# KiCad board sizif128.kicad_pcb (continued)
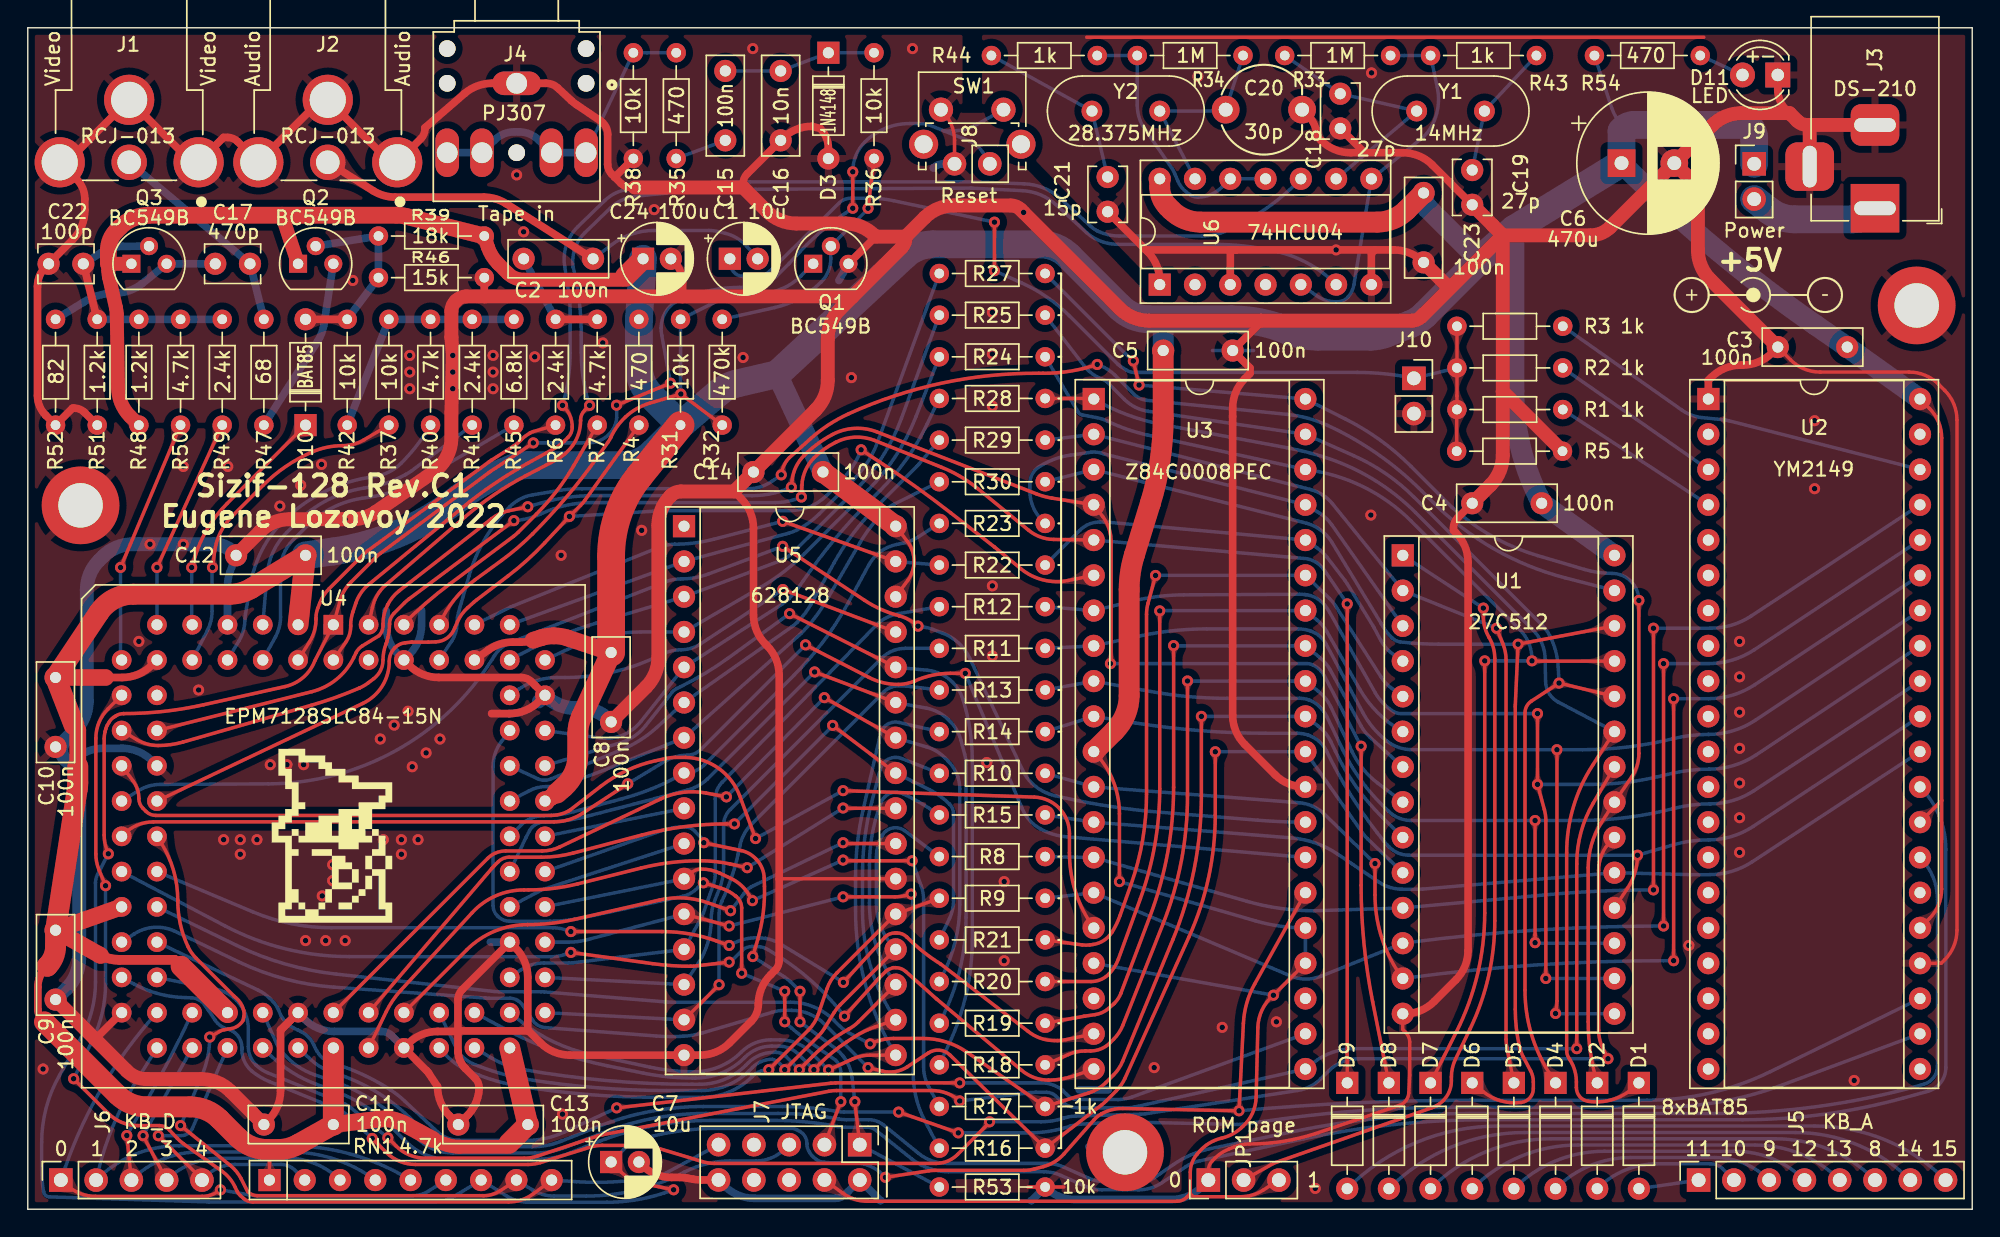
[diagram p0: board, top side]
## Routing (per net, layer and track width the routed paths; a pad name or vN(x,y) marks a point on that pad's centre or on a via; arc(x,y) is an arc through that point)
+5V: length 643.6
  Top w0.25: 137.8,29.44 137.8,23.06 arc(137.57,21.91) 136.92,20.94 U2.25 ; 137.8,29.44 U2.28 ; 137.8,29.44 137.8,55.56 arc(137.57,56.71) 136.92,57.68 U2.40 ; U5.30 63.35,45.29 arc(63.81,46.7) 63.33,48.1 U5.32 ; JP1.3 88.94,1.37 arc(88.16,1.02) 87.32,0.9 83.91,0.9 83.7,1.11 ; 83.7,1.11 83.7,2.65 arc(83.83,3.35) 84.19,3.96 84.36,4.16 arc(85.08,4.77) 85.95,5.12 arc(86.71,5.4) 87.38,5.87 87.49,5.97 arc(88.18,6.92) 88.44,8.07 88.57,13.08 arc(88.87,14.37) v1(89.69,15.41) U3.24 ; 83.7,1.11 83.45,0.87 arc(83.13,0.65) 82.75,0.57 60.45,0.57 arc(59.52,0.72) 58.69,1.15 J7.4 ; v1(78.6,23.6) 78.6,28.49 arc(78.12,30.91) U3.11 ; RN1.1 17.4,4.1
  Top w0.55: U4.13 8.92,39.18 arc(7.95,38.53) 6.8,38.3 5.6,38.3 ; 11.04,17.5 10.65,17.89 ; 1.4,17.5 1.31,17.41 arc(0.88,16.76) 0.72,16 0.72,14.39 arc(0.8,14.01) 1.02,13.68 1.2,13.5 ; U4.78 33.16,40.28 arc(34,40.7) 34.92,40.85 35.5,40.85 arc(35.94,40.88) 36.38,40.98
  Top w0.7: 10.65,17.89 10.58,17.96 6.59,17.96 arc(5.91,18.04) 5.26,18.27
  Top w1: R48.1 7.38,57.1 arc(6.73,58.07) 6.5,59.22 6.4,64.5 arc(6.39,64.7) 6.36,64.9 5.85,67.15 arc(5.81,67.37) 5.8,67.59 5.8,68.1 Q3.1 ; 42.79,66.95 35.7,66.95 arc(35.08,67.07) 34.55,67.43 33.85,68.13 arc(33.41,68.68) 33.12,69.33 R39.2 ; 5.25,18.28 5.26,18.27 ; Q2.1 18.3,71.6 ; 34.4,4.5 31.09,4.5 arc(30.61,4.54) 30.14,4.65 29.65,4.82 arc(29.4,4.91) 29.17,5.02
  Top w1.2: U4.66 37.67,29.66 arc(37.89,29.81) 38.1,29.98 ; 36.38,40.98 36.97,41.17 arc(37.41,41.27) 37.85,41.3 37.91,41.3 arc(38.39,41.26) 38.86,41.15 C8.2 ; 5.8,68.1 5.8,69.07 arc(5.95,69.84) 6.39,70.49 6.62,70.72 arc(7.59,71.37) 8.74,71.6 26.53,71.6 arc(26.9,71.58) 27.26,71.51 R39.2 ; U4.26 C9.2 5.15,18.33 arc(5.2,18.3) 5.25,18.28 ; 5.6,38.3 C10.2 ; 3.6,32.3 3.6,34.5 3.55,34.55 arc(3.42,34.71) 3.32,34.9 ; 29.17,5.02 27.08,6.15 arc(26.22,6.46) 25.31,6.49 C11.2
  Top w1.5: 34.65,4.75 C13.2 U4.53 ; C23.2 99.28,71.98 arc(98.31,71.33) 97.16,71.1 84.44,71.1 arc(83.29,71.33) 82.32,71.98 82.09,72.21 arc(81.65,72.86) 81.5,73.63 U6.14 ; U3.11 78.24,34.45 arc(79.03,35.62) 79.3,37 79.3,44.63 arc(79.39,45.89) 79.68,47.12 80.83,50.86 arc(81.52,53.88) 81.75,56.98 C5.2 ; C14.2 U5.32 ; C24.1 43.04,67.2 ; C8.2 39.88,35.5 arc(39.67,34.88) 39.6,34.24 39.6,32.65 arc(39.33,31.42) 38.58,30.4 38.1,29.98 ; 3.6,31.9 3.6,30.73 arc(3.59,30.5) 3.57,30.27 C9.2 2,18.93 arc(1.85,18.16) 1.41,17.51 1.4,17.5 ; U4.43 C11.2 19.48,4.69 arc(18.77,4.4) 18.01,4.3 17.24,4.3 arc(16.09,4.53) 15.12,5.18 13.8,6.5 arc(12.83,7.15) 11.68,7.37 8.57,7.37 arc(7.42,7.6) 6.45,8.25 1.2,13.5 ; U4.3 C12.2 16.12,44.74 arc(15.37,44.41) 14.56,44.3 7.61,44.3 arc(6.19,43.95) 5.11,42.96 C10.2 3.32,34.9 ; U4.38 11.04,17.5
  Top w2: C8.2 42,47.04 arc(42.53,50.11) 44.05,52.83 R31.1
  Bottom w0.25: 115,77.9 114.78,78.12 arc(114.35,78.67) 114.05,79.3 R54.1 ; U3.17 v1(89.69,15.41) ; U3.24 U3.25 arc(90.18,20.39) 88.4,20.77 v1(78.6,23.6)
  Bottom w1.5: C6.1 114.75,75.35 arc(121.46,69.21) 128.7,63.7 C3.2 U2.40 ; 107,70.6 107,58.95 arc(107.45,55.01) 108.79,51.27 C4.2 U1.28 ; C14.2 53.95,60.15 ; C23.2 100.5,72.81 arc(100.58,72.43) 100.79,72.11 104.32,68.57 104.72,68.57 ; C5.2 81.75,63.85
  Bottom w2: C12.2 21.96,47.38 arc(26.75,48.7) 31.04,51.22 arc(32.83,52.41) 34.77,53.32 34.98,53.4 arc(35.51,53.55) 36.05,53.6 42.88,53.6 arc(44.03,53.83) 45,54.48 R31.1 ; R31.1 49.74,58.83 arc(50.34,59.22) 51.01,59.47 53.95,60.15 63.14,68.7 arc(64.08,69.29) 65.18,69.5 72.86,69.5 arc(74.01,69.27) 74.98,68.62 78.62,64.98 arc(79.59,64.33) 80.74,64.1 86.65,64.1 arc(88.71,63.9) 90.69,63.29 arc(91.77,62.96) 92.9,62.85 96.68,62.85 arc(97.24,62.9) 97.78,63.06 99.54,63.75 arc(100.09,64.03) 100.57,64.42 104.72,68.57 107,70.6 C6.1 114.75,77.65 114.91,77.81 arc(115.23,78.02) 115.61,78.1 123.8,78.1 124.01,77.89 arc(124.22,77.57) 124.3,77.19 J9.1 ; R31.1 44.88,58.6 arc(44.23,59.57) 44,60.72 R4.2 C24.1
GND: length 961.8
  Top w0.25: U2.24 137.77,17.72 138.02,17.97 arc(138.67,18.94) 138.9,20.09 138.9,56.86 arc(138.67,58.01) 138.02,58.98 137.58,59.42 arc(136.61,60.07) 135.46,60.3 129.04,60.3 arc(127.89,60.53) 126.92,61.18 C3.1 ; 54.1,23.8 U5.22 ; JP1.1 85,2.79 arc(85.08,3.17) 85.29,3.49 85.46,3.66 arc(85.93,4.05) 86.47,4.33 86.86,4.49 arc(87.41,4.65) 87.98,4.7 arc(90.37,4.89) 92.7,5.45 98.76,7.48 arc(99.23,7.83) 99.43,8.38 99.5,9.66 99.5,12.03 arc(99.42,12.42) 99.21,12.74 99,12.95 U1.14 ; 74.6,1.6 R53.1 72,1.6 ; SW1.1 65.85,79.1 arc(66.5,78.13) 66.72,76.98 J8.1 ; 76.25,84.42 120.66,84.42
  Top w0.55: 97,69.1 v1(94.2,69.1) 87,69.1 ; 97,69.1 96.74,68.84 U6.7 ; 97,69.1 98.36,69.1 arc(99.51,68.87) 100.48,68.22 C23.1 ; 87,69.1 80.5,69.1 ; 87,69.1 86.5,69.1 86.58,69.02 U6.3 ; 30.97,12.93 30.97,15.1 arc(31.05,15.48) 31.27,15.81 U4.59 35.12,18.82 arc(35.77,17.85) 36,16.7 36,12.9 36.05,12.85 ; 30.97,12.93 30.97,11.43 30.98,11.28 31.02,11 31.11,10.73 31.24,10.48 31.41,10.24 31.51,10.15 31.51,10.14 32.2,9.44 arc(32.42,9.12) 32.5,8.74 32.5,8.67 32.46,8.34 32.39,8.01 32.27,7.69 32.13,7.39 31.95,7.11 31.74,6.84 31.62,6.72 C13.1 30.38,6.72 arc(29.73,7.69) 29.5,8.84 28.86,9.82 arc(28.8,9.9) 28.73,9.97 U4.47 27.39,11.93 arc(28.36,12.58) 29.51,12.81 30.85,12.81 30.97,12.93 ; 30.97,12.93 31.05,12.85 36.05,12.85 ; D11.1 126,80.63 arc(126.15,79.86) 126.59,79.21 126.85,78.95 ; C11.1 17.32,6.42 arc(17.97,7.39) 18.2,8.54 18.2,12.9 18.27,12.97 ; 96.4,76.1 96.25,76.1 C18.1 ; 96.4,76.1 95.24,76.1 arc(94.09,76.33) 93.12,76.98 92.8,77.3 92.8,77.32 arc(92.65,78.09) 92.21,78.74 C20.2 ; 96.4,76.1 99.01,76.1 arc(100.16,75.87) 101.13,75.22 C19.1 ; 50.85,51.7 51.37,51.18 arc(52.02,50.21) 52.25,49.06 52.25,42.81 arc(52.48,41.66) 53.13,40.69 53.22,40.6 arc(53.87,39.63) 54.1,38.48 54.1,17.91 arc(54.02,17.53) 53.81,17.21 53.48,16.88 arc(52.83,15.91) 52.6,14.76 arc(52.47,14.1) 52.1,13.55 50.53,11.98 arc(49.56,11.33) 48.41,11.1 U5.16 39.04,11.1 arc(37.89,11.33) 36.92,11.98 36.05,12.85 ; C24.2 46.56,68.2 arc(47,67.55) 47.15,66.78 47.15,65.75 ; 80.5,69.1 80.62,68.98 arc(81.27,68.01) 81.5,66.86 U6.1 ; 80.5,69.1 C21.1 ; U4.32 4.9,12.3 4.8,12.3 ; C3.1 125.58,61.68 arc(124.61,61.03) 123.46,60.8 123.33,60.8 arc(122.18,60.57) 121.21,59.92 121,59.71 U2.1 ; U1.14 99.14,14.08 arc(100.29,14.31) 101.26,14.96 102.82,16.52 arc(103.47,17.49) 103.7,18.64 103.7,46.61 arc(103.47,47.76) 102.82,48.73 102.65,48.9 102.65,49.09 arc(102.73,49.47) 102.94,49.79 C4.1 ; 33.4,35.7 34.68,35.7 arc(35.83,35.93) 36.8,36.58 U4.72 36.25,38.01 arc(35.93,38.22) 35.55,38.3 29.58,38.3 arc(28.43,38.53) 27.46,39.18 U4.82 ; C7.2 44.23,3.17 arc(45.2,2.52) 46.35,2.29 46.93,2.29 arc(47.21,2.28) 47.48,2.24 47.92,2.16 arc(48.19,2.12) 48.47,2.11 J7.10 ; U3.29 91.92,30.42 arc(90.77,30.65) 89.8,31.3 87.63,33.47 arc(86.98,34.44) 86.75,35.59 86.75,57.71 arc(86.98,58.86) 87.63,59.83 88,60.2 88,60.6 C5.1 88.8,63.9 88.8,64 ; 18.27,12.97 U4.42 18.27,12.97 ; R46.2 32.87,65.78 32.9,65.75 ; 42.25,74.35 42.27,74.35 R38.1 ; 42.25,74.35 42.71,73.89 arc(43.03,73.68) 43.41,73.6 43.7,73.6 ; 42.25,74.35 42.04,74.56 arc(41.83,74.88) 41.75,75.26 41.75,77.44 arc(41.62,77.98) 41.24,78.39 39.5,79.57 arc(39.31,79.71) 39.13,79.86 38.16,80.76 arc(37.77,81.01) 37.31,81.1 J4.S 33.42,81.1 arc(32.37,80.91) 31.45,80.37 28.6,77.9 28.6,77.82 arc(28.52,77.44) 28.31,77.12 J2.2 26.51,75.41 arc(26.13,75.49) 25.81,75.7 J2.2 21.51,79.91 arc(21.13,79.83) 20.81,79.62 J2.2 15.1,76.91 arc(14.78,77.12) 14.4,77.2 14.09,77.2 J1.2 12.21,75.41 arc(11.83,75.49) 11.51,75.7 J1.2 3.09,75.7 arc(2.77,75.49) 2.39,75.41 J1.2 3.52,74.19 arc(3.96,73.54) 4.11,72.77 4.11,71.95 arc(3.88,70.8) 3.23,69.83 C22.2 1.29,67.89 arc(0.85,67.24) 0.7,66.47 0.7,58.61 arc(0.85,57.84) 1.29,57.19 R52.1 3.22,57.7 3.37,57.7 arc(3.75,57.62) 4.07,57.41 R51.1 ; Q1.3 61.04,70.05 ; D3.2 57.64,76.43 arc(57.49,77.19) 57.06,77.84 56.46,78 arc(55.31,77.77) 54.34,77.12 C16.1 51.79,74.58 arc(51.58,74.25) 51.5,73.87 51.5,73.6 ; 102.3,66.4 102.45,66.4
  Top w1: 128.4,78.1 128.3,78 J3.3 ; 128.4,78.1 J3.2 ; 128.4,78.1 128.11,78.1 arc(127.73,78.18) 127.41,78.39 126.85,78.95 123.39,78.95 arc(122.24,78.72) 121.27,78.07 C6.2 ; 43.7,73.6 51.5,73.6 53.22,71.88 arc(54.19,71.23) 55.34,71 58.86,71 arc(60.01,70.77) 60.98,70.12 61.04,70.05 63.21,70.05 ; 112.45,70.15 106.2,70.15 ; 106.2,70.15 100.34,64.29 arc(100.02,64.08) 99.64,64 80.74,64 arc(79.59,64.23) 78.62,64.88 v1(71.7,71.8) 71.49,72.01 arc(71.17,72.22) 70.79,72.3 66.69,72.3 arc(65.54,72.07) 64.57,71.42 63.21,70.05 ; 106.2,70.15 C19.1 ; 106.2,70.15 106.2,58.9 ; 63.21,70.05 63.21,69.97 arc(63.13,69.59) 62.91,69.26 59.38,65.72 ; C11.1 14.6,8.5 arc(13.63,9.15) 12.48,9.37 8.55,9.37 arc(7.79,9.53) 7.14,9.96 C9.1 ; C6.2 119.37,74.53 arc(120.02,73.56) 120.25,72.41 120.25,69.09 arc(120.48,67.94) 121.13,66.97 C3.1 ; C6.2 113.94,70.74 arc(113.29,70.3) 112.52,70.15 ; C4.1 105.32,52.17 arc(105.97,53.14) 106.2,54.29 106.2,58.9 ; 59.38,65.72 58.48,64.83 arc(57.83,63.86) 57.6,62.71 57.6,59.69 arc(57.37,58.54) 56.72,57.57 C14.1 50.85,51.7 47.01,51.7 arc(46.63,51.62) 46.31,51.41 46.28,51.38 arc(45.63,50.41) 45.4,49.26 45.4,39.74 arc(45.17,38.59) 44.52,37.62 C8.1 ; 59.38,65.72 59.35,65.75 31.56,65.75 arc(31.18,65.67) 30.86,65.46 30.79,65.39 arc(30.58,65.07) 30.5,64.69 30.5,62.84 arc(30.5,62.8) 30.5,62.76 v1(30.6,61.5) 30.5,57.4 30.5,55.57 arc(30.16,54.18) 29.21,53.11 25.06,50.23 arc(24.25,49.84) 23.35,49.7 v1(22.85,49.7) 18.84,49.7 arc(17.69,49.47) 16.72,48.82 C12.1 ; 106.2,58.9 R5.1 ; C23.1 102.3,66.4
  Bottom w0.25: 61.44,0.57 72.22,0.57 ; 76.25,84.42 120.66,84.42 ; 85.3,61.85 C5.1 88.25,61.85
  Bottom w0.55: 28.35,43.15 28.35,42.07 arc(28.12,40.92) 27.47,39.95 U4.82 26.68,39.96 arc(26.03,40.93) 25.8,42.08 25.8,43.11 ; 33.4,35.7 34.68,35.7 arc(35.83,35.93) 36.8,36.58 ; C12.1 14.57,45.92 arc(14.43,45.41) 14.38,44.88 U4.7 ; U4.47 26.19,12.51 arc(25.86,12.73) 25.48,12.81 22.06,12.81 arc(20.91,13.03) 19.94,13.68 U4.42 ; 3,32.1 3.1,32.1 3.32,32.32 arc(4.29,32.97) 5.44,33.2 6.8,33.2 arc(7.95,32.97) 8.92,32.32 U4.19 ; U4.59 33.31,19.24 ; 65.2,75 65.21,75.01 arc(65.53,75.22) 65.91,75.3 J8.1 ; 58.4,66.9 Q1.3 59.09,68.09 ; 72.22,0.63 72.28,0.63 R53.1 73.27,1.58 arc(74.24,0.93) 75.39,0.7 82.36,0.7 arc(83.51,0.93) 84.48,1.58 JP1.1 ; 75.7,8.6 77.8,8.6 ; 61.44,0.63 61.38,0.63 J7.2 58.87,1.08 arc(58.54,0.86) 58.16,0.78 52.31,0.78 arc(51.16,1.01) 50.19,1.66 J7.10 ; 76.4,4.5 H3.1 81.4,4.5
  Bottom w1: C8.1 41.88,35.22 arc(40.91,35.87) 39.76,36.1 39.4,36.1 arc(38.25,36.33) 37.28,36.98 U4.72 36.8,36.58 ; C12.1 14.79,47.31 arc(14.14,47.75) 13.37,47.9 v1(11.2,47.9) v1(8.8,47.9) 7.54,47.9 arc(6.39,47.67) 5.42,47.02 5.13,46.73 arc(4.48,45.76) 4.25,44.61 4.25,36.59 arc(4.02,35.44) 3.37,34.47 2.71,33.81 arc(2.41,33.1) 2.71,32.39 3.11,31.99 arc(3.55,31.34) 3.7,30.57 3.7,18.04 arc(3.47,16.89) 2.82,15.92 C9.1
  vias: v1(1.1,10.1) v1(8,40.9) v1(11.2,53.5) v1(12.3,37.4) v1(14.1,26.62) v1(14.4,53.5) v1(15.3,26.62) v1(15.3,25.57) v1(16.5,26.62) v1(17.46,32.02) v1(18.15,50.65) v1(18.66,32.02) v1(19.65,52.15) v1(19.86,32.02) v1(20,19.35) v1(21.15,53.65) v1(21.2,22.57) v1(21.45,19.35) v1(21.95,24.82) v1(21.95,23.67) v1(22.85,19.35) v1(23.4,66.9) v1(25.38,33.87) v1(25.6,26.62) v1(26.38,34.87) v1(26.9,26.62) v1(26.9,25.57) v1(27.38,35.87) v1(27.5,61.5) v1(27.5,60.3) v1(27.5,59.1) v1(27.68,31.87) v1(28.1,26.62) v1(28.68,32.87) v1(29.68,33.87) v1(30.6,60.3) v1(30.6,59.1) v1(33.5,61.5) v1(33.5,60.3) v1(33.5,59.1) v1(35.2,74.5) v1(35.7,70.4) v1(36.5,61.4) v1(38.4,47.1) v1(38.5,6.85) v1(41.4,62.4) v1(44.2,48.9) v1(45.1,72) v1(51.5,61.35) v1(52.2,83.6) v1(59.3,59.9) v1(63.7,83.6) v1(69.05,32.17) v1(69.45,64.6) v1(69.45,61.6) v1(69.45,57.85) v1(69.45,44.9) v1(69.45,39.85) v1(70.3,23.6) v1(70.3,17.9) v1(81.1,10.2) v1(84.25,81.6) v1(86,13.1) v1(89.9,13.5) v1(92.7,1.5) v1(96.7,50) v1(96.75,81.85) v1(119.6,19) v1(123.25,40.9) v1(123.25,38.35) v1(123.25,35.8) v1(123.25,33.2) v1(123.25,30.7) v1(123.25,28.2) v1(123.25,25.7) v1(128.65,56.8) v1(128.65,51.9) v1(131.5,9.28)
A0: length 123.9
  Top w0.25: v1(60.5,10.2) 61.53,9.95 arc(62.46,9.91) 63.33,10.26 64.84,11.26 arc(65.65,11.46) 66.4,11.11 R16.1 77.31,7.51 arc(77.47,7.63) 77.61,7.77 78.38,8.54 arc(78.73,8.96) 79,9.43 83.6,19.61 arc(85.02,23.9) 85.5,28.4 v1(85.5,32.95)
  Bottom w0.25: v1(60.5,10.2) 57.35,13.35 arc(56.27,14.07) 55,14.33 54.5,14.33 arc(54.03,14.29) 53.57,14.18 48.56,12.69 arc(47.89,12.54) 47.22,12.46 47.21,12.46 arc(46.24,12.44) 45.26,12.48 37.26,13.08 arc(36.74,13.24) 36.35,13.61 35.61,14.72 arc(35.47,14.89) 35.3,15.02 35.24,15.05 arc(34.99,15.16) 34.72,15.2 33.2,15.2 arc(33.1,15.2) 33,15.21 32.96,15.21 arc(32.91,15.21) 32.87,15.22 22.05,15.99 arc(18.53,16.58) 15.19,17.82 10.62,20.01 10.47,20.07 arc(9.03,20.3) 7.66,19.83 U4.28 ; U1.10 96.48,26.67 arc(96.28,26.88) 96.1,27.11 U3.30 85.51,32.96 v1(85.5,32.95)
A1: length 118.7
  Top w0.25: v1(84.5,35.5) 84.5,29.79 arc(83.98,24.5) 82.45,19.42 78.83,10.65 arc(78.55,10.13) 78.18,9.68 77.62,9.12 arc(77.05,8.68) 76.39,8.38 R17.1 67.61,11.32 arc(66.12,12.05) 64.48,12.3 62.34,12.3 arc(61.47,12.2) v1(60.65,11.91)
  Bottom w0.25: U4.27 15.04,19 arc(18.54,17.66) 22.22,16.94 33.59,15.68 arc(33.75,15.67) 33.92,15.66 36.94,15.66 arc(37.06,15.66) 37.19,15.65 46.07,14.92 arc(46.19,14.91) 46.31,14.91 54.92,14.91 arc(56.6,14.57) 58.03,13.62 58.44,13.21 arc(58.8,12.9) 59.19,12.66 v1(60.65,11.91) ; v1(84.5,35.5) U3.31 92.92,34.79 arc(93.43,34.3) 93.81,33.69 94.16,32.96 arc(95.65,30.44) 97.55,28.21 U1.9
A2: length 52.1
  Top w0.25: v1(83.5,38.05) 83.5,29.76 arc(83.06,25.08) 81.75,20.58 78.85,13.26 arc(78.57,12.72) 78.18,12.24 77.92,11.99 arc(77.27,11.55) 76.51,11.4 76.14,11.4 arc(75.51,11.33) 74.92,11.14 R18.1
  Bottom w0.25: v1(83.5,38.05) 83.51,38.04 U3.32 92.95,37.28 arc(93.44,36.8) 93.8,36.22 95.35,32.96 arc(96.14,31.71) 97.2,30.69 U1.8
A3: length 52.6
  Top w0.25: v1(82.5,40.6) 82.5,30.39 arc(82.07,25.68) 80.81,21.12 78.7,15.55 arc(78.51,15.17) 78.25,14.85 78.18,14.78 77.82,14.46 arc(77.37,14.17) 76.85,14.02 76.1,13.91 arc(76.06,13.9) 76.02,13.89 R19.1
  Bottom w0.25: v1(82.5,40.6) 82.52,40.58 U3.33 93.05,39.72 arc(93.46,39.31) 93.78,38.84 96.01,34.79 arc(96.28,34.38) 96.62,34.01 U1.7
A4: length 53.4
  Top w0.25: v1(81.5,43.1) 81.5,30.28 arc(81.15,26.26) 80.11,22.37 78.53,18.03 arc(78.24,17.44) 77.83,16.93 arc(77.24,16.54) 76.55,16.4 R20.1
  Bottom w0.25: U1.6 98.87,34.48 arc(97.18,35.78) 95.89,37.47 93.53,41.61 arc(93.21,42.07) 92.81,42.45 U3.34 81.52,43.12 v1(81.5,43.1)
A5: length 53.4
  Top w0.25: R21.1 75.92,19.04 arc(76.2,19.02) 76.48,19.04 76.7,19.07 arc(77.49,19.37) 78.08,19.97 78.08,19.98 arc(78.39,20.56) 78.65,21.16 79.44,23.4 arc(80.27,26.6) 80.55,29.89 80.55,42.85 arc(80.58,43.25) 80.65,43.64 v1(81.2,45.65)
  Bottom w0.25: v1(81.2,45.65) 81.21,45.66 U3.35 93.72,43.99 arc(93.96,43.74) 94.17,43.45 97.45,38.33 arc(97.79,37.89) 98.21,37.52 U1.5
A6: length 31.3
  Bottom w0.25: U1.4 98.34,39.94 arc(97.81,40.41) 97.41,40.99 96.93,41.88 arc(96.89,41.96) 96.85,42.03 95,45.05 arc(94.91,45.18) 94.82,45.31 93.55,46.96 arc(93.22,47.32) 92.85,47.62 U3.36 77.73,49.49 arc(77.6,49.5) 77.46,49.5 77.18,49.5 arc(76.41,49.35) 75.76,48.91 R22.1
A7: length 35.8
  Bottom w0.25: U1.3 93.87,49.32 arc(93.45,49.8) 92.94,50.18 U3.37 77.62,54.37 arc(77.54,54.39) 77.46,54.42 77.37,54.45 arc(76.97,54.53) 76.56,54.53 75.07,54.32 arc(73.89,54.02) 72.81,53.47 arc(72.32,52.96) 72.15,52.27 72.15,51.74 arc(72.38,50.59) 73.03,49.62 R23.1
A8: length 84.3
  Top w0.25: v1(108.3,39.5) 108.32,39.48 U1.25 ; D7.1 102.85,12.75 arc(104.38,16.92) 104.9,21.34 v1(104.9,39.5)
  Bottom w0.25: R24.1 75.63,57.42 arc(75.75,57.28) 75.92,57.21 76.99,57.01 arc(77.37,56.91) 77.74,56.77 77.74,56.76 arc(79.16,56.18) 80.65,55.76 U3.38 arc(96.11,52.06) 99.6,49.57 107.42,41.75 arc(108.07,40.78) 108.3,39.63 v1(108.3,39.5) v1(104.9,39.5)
A9: length 83
  Top w0.25: D4.1 109.52,9.84 arc(108.24,12.68) 107.8,15.76 107.8,35.75 arc(107.92,36.23) 108.26,36.6 v1(110.25,37.9) U1.24
  Bottom w0.25: 110.25,37.9 v1(110.25,37.9) 110.19,39.03 arc(110.01,40.2) 109.59,41.31 arc(109.34,41.71) 109.04,42.06 99.78,51.32 arc(97.76,53) 95.46,54.28 U3.39 80.67,57.47 arc(79.74,57.77) 78.95,58.34 77.75,59.54 arc(77.58,59.68) 77.39,59.77 77.38,59.78 arc(76.65,60.17) 76.05,60.76 R25.1
A10: length 87.5
  Top w0.25: v1(116,43.85) 116,32.83 arc(115.87,31.94) 115.48,31.14 U1.21 113.29,27.83 arc(112.59,26.28) 112.35,24.59 112.35,13.5 arc(112.51,11.27) D2.1 ; v1(79.6,61.1) v1(80.01,59.36)
  Bottom w0.25: v1(80.01,59.36) U3.40 94.84,56.93 arc(97.35,55.41) 99.59,53.51 102.53,50.57 arc(102.57,50.54) 102.6,50.51 103.12,50.07 arc(105.76,48.29) 108.7,47.08 112.07,46.09 arc(113.05,45.87) 114.05,45.8 arc(115.43,45.23) v1(116,43.85) ; R27.1 79.55,61.1 v1(79.6,61.1)
A11: length 83.3
  Top w0.25: 115.7,8.75 D1.1 115.6,8.74 arc(114.08,7.9) 112.35,7.77 arc(111.74,8.11) 111.5,8.76 111.5,9.16 arc(111.39,9.98) 111.05,10.74 110.95,10.91 arc(110.84,11.16) 110.8,11.43 110.8,25.67 arc(111.28,28.96) 112.67,31.98 U1.23 ; U3.1 76.71,58.4 R28.1
  Bottom w0.25: U1.23 110.2,36.53 arc(109.54,37.15) 109.28,38.01 109.25,39.61 arc(109.02,40.76) 108.37,41.73 99.91,50.19 arc(96.85,52.59) 93.3,54.19 93.31,54.19 arc(91.99,54.56) 90.65,54.85 81.77,56.5 arc(79.18,57.22) U3.1
A12: length 69.8
  Top w0.25: v1(105.75,41.85) 106.22,40.71 arc(106.38,40.15) 106.44,39.58 106.44,12.23 arc(106.45,11.94) 106.49,11.65 D5.1
  Bottom w0.25: R29.1 U3.2 92.34,51.85 arc(93.21,51.46) 93.93,50.83 U1.2 v1(105.75,41.85)
A13: length 83.8
  Top w0.25: D6.1 104.8,8.46 arc(106.08,7.8) 107.52,7.69 arc(108.15,8.02) 108.4,8.68 108.4,9.18 arc(108.35,9.59) 108.2,9.97 107.68,10.96 arc(107.52,11.31) 107.41,11.68 107.41,11.68 arc(107.18,13.02) 107.1,14.39 107.1,36.21 arc(107.1,36.27) 107.1,36.34 v1(107.3,40.7) U1.26
  Bottom w0.25: R30.1 U3.3 92.06,49.41 arc(93.11,48.91) 93.89,48.05 97.43,42.22 arc(97.44,42.19) 97.46,42.16 arc(97.8,41.63) 98.23,41.15 98.26,41.13 arc(98.52,40.95) 98.83,40.86 arc(100.2,40.74) 101.58,40.7 v1(107.3,40.7)
A14: length 134.6
  Top w0.25: v1(96,33.35) 96,23.33 arc(96.21,19.12) 96.83,14.95 D8.1 ; U4.17 20.45,37.28 arc(22.23,38.17) 23.46,39.73 23.64,40.1 arc(23.83,40.37) 24.09,40.58 25.28,41.31 arc(25.5,41.63) 25.58,42.02 25.58,42.16 arc(25.66,42.86) 25.9,43.52 25.91,43.54 arc(26.27,44.09) 26.74,44.55 33.39,49.74 arc(33.97,50.09) 34.61,50.31 v1(36,50.6) ; v1(77.95,39.3) 78,39.35 78,48.09 arc(77.84,49.05) 77.39,49.91 U3.4 73.75,51.22 arc(73.19,51.34) 72.64,51.52 61.14,55.99 arc(59.51,56.25) 57.93,55.8 arc(56.86,55.12) 55.89,54.29 arc(55.31,53.47) 55.03,52.51 v1(54.97,52.01)
  Bottom w0.25: v1(54.97,52.01) 54.75,51.91 arc(53.47,51.53) 52.15,51.4 40.7,51.4 arc(38.86,51.27) 37.05,50.9 v1(36,50.6) ; v1(96,33.35) 93.37,38.4 arc(93.02,38.87) 92.54,39.2 arc(92.32,39.27) 92.1,39.3 v1(77.95,39.3)
A15: length 136.2
  Top w0.25: U3.5 73.87,48.24 arc(72.91,48.42) 72.06,48.91 68.41,51.9 arc(67.16,52.77) 65.79,53.44 60.97,55.37 arc(59.57,55.61) 58.2,55.26 58.14,55.23 arc(57.33,54.74) 56.61,54.13 arc(55.99,53.22) 55.74,52.15 v1(55.7,51.3) ; D9.1 v1(95,43.6) ; U4.16 7.84,33.83 arc(8.58,33.51) 9.38,33.4 arc(10.29,33.46) 11.18,33.65 20.42,36.3 arc(22.17,36.87) 23.88,37.54 arc(24.2,37.71) 24.5,37.91 24.91,38.22 arc(25.4,38.81) 25.58,39.56 arc(25.63,40.15) 25.79,40.72 25.82,40.79 arc(25.84,40.85) 25.86,40.92 25.93,41.18 arc(26.01,41.66) 26.04,42.15 26.04,42.14 arc(26.13,42.56) 26.36,42.92 27.12,43.67 arc(27.28,43.82) 27.45,43.96 v1(35,49.6)
  Bottom w0.25: U3.5 92.11,46.86 arc(92.82,46.56) 93.36,46.02 v1(95,43.6) ; v1(35,49.6) arc(35.99,49.75) 36.93,50.08 37.05,50.13 arc(38.78,50.71) 40.6,50.9 53.82,50.9 arc(54.78,51) v1(55.7,51.3)
AY_BC1: length 148.1
  Bottom w0.25: U4.39 17.47,11.09 arc(19.01,9.87) 20.77,9 22.2,8.47 arc(24.34,7.4) 26.2,5.9 27.25,4.85 arc(28.64,3.93) 30.27,3.6 36.69,3.6 arc(37.88,3.71) 39.02,4.05 41.14,4.89 arc(41.19,4.91) 41.23,4.93 41.64,5.08 arc(45.36,6.07) 49.19,6.4 53.7,6.4 arc(55.99,6.29) 58.26,5.97 58.32,5.95 arc(58.6,5.91) 58.89,5.9 60.49,5.9 arc(60.78,5.85) 61.04,5.7 63.64,3.63 arc(64.88,2.94) 66.29,2.7 73.16,2.7 arc(73.79,2.63) 74.39,2.44 76.11,1.66 arc(76.71,1.47) 77.34,1.4 79.99,1.4 arc(80.86,1.53) 81.66,1.91 83.36,3.05 arc(83.86,3.32) 84.41,3.5 91.86,5.07 arc(98.38,6.1) 104.97,6.45 123.45,6.45 arc(129.29,6.84) 135.03,8.01 136.8,8.49 arc(137.74,9.13) 138.1,10.2 138.1,25.93 arc(137.62,28.36) U2.29
AY_BDIR: length 143.5
  Bottom w0.25: U4.40 17.93,11.91 arc(18.06,11.66) 18.22,11.44 18.37,11.26 arc(19.41,10.31) 20.67,9.68 21.94,9.24 arc(24.72,7.92) 27.14,5.99 28.01,5.13 arc(29.2,4.33) 30.61,4.05 36.54,4.05 arc(37.63,4.15) 38.68,4.45 41.43,5.52 arc(45.07,6.55) 48.83,6.9 53.99,6.9 arc(56.19,6.8) 58.38,6.5 58.38,6.5 arc(58.65,6.46) 58.92,6.45 60.53,6.45 arc(61.11,6.35) 61.63,6.06 64.13,4.03 arc(65.09,3.49) 66.18,3.3 73.36,3.3 arc(73.99,3.23) 74.59,3.04 76.36,2.24 arc(76.91,2.06) 77.49,1.98 79.67,1.9 arc(79.8,1.9) 79.93,1.91 80.08,1.92 arc(80.62,2.02) 81.11,2.27 82.49,3.22 arc(83.78,3.93) 85.18,4.37 91.1,5.59 arc(97.43,6.57) 103.82,6.9 121.43,6.9 arc(129.04,7.42) 136.51,9 arc(137.22,9.49) 137.5,10.31 137.5,22.3 arc(137.17,23.94) U2.27
AY_CLK: length 120.8
  Top w0.25: v1(62.7,7) v1(67,5.5)
  Bottom w0.25: v1(67,5.5) 72.09,5.5 arc(73.58,5.62) 75.03,5.98 arc(75.4,6.08) 75.79,6.12 78.47,6.29 arc(78.6,6.3) 78.73,6.3 87.06,6.11 arc(87.3,6.11) 87.53,6.13 90.44,6.53 arc(96.51,7.14) 102.6,7.35 117.36,7.35 arc(121.93,7.75) 126.36,8.97 U2.22 ; v1(62.7,7) 58.77,7 arc(58.5,7.01) 58.23,7.05 58.23,7.05 arc(56.29,7.31) 54.34,7.4 48.64,7.4 arc(44.77,7.03) 41.04,5.95 38.4,4.9 arc(37.38,4.6) 36.33,4.5 30.87,4.5 arc(29.7,4.73) 28.7,5.4 27.64,6.46 arc(25.07,8.47) 22.08,9.81 arc(21.18,10.2) 20.39,10.77 U4.41
BEEPER: length 26
  Top w0.25: R6.1 36.4,56.02 arc(36.28,55.97) 36.17,55.92 36.13,55.9 arc(35.82,55.68) 35.53,55.43 35.46,55.36 arc(35.21,55.14) 34.95,54.95 33.38,53.95 arc(33.3,53.9) 33.22,53.84 24.49,47.44 arc(24.31,47.29) 24.14,47.14 21.7,44.7 arc(21.31,44.21) 21.02,43.66 20.88,43.3 arc(20.78,42.94) 20.75,42.58 20.75,42.47 arc(20.63,41.63) 20.29,40.87 U4.4
Blue: length 24.4
  Top w0.25: v1(13.3,46.22) 13.45,47.38 arc(13.87,48.74) 14.7,49.9 16.96,52.16 arc(18.56,53.49) 20.38,54.5 20.42,54.52 arc(21.53,54.88) 22.68,55 arc(23.47,55.11) 24.21,55.42 R37.1
  Bottom w0.25: U4.10 12.94,41.69 arc(13.18,42.35) 13.27,43.06 13.27,46.19 v1(13.3,46.22)
Bright: length 27.4
  Bottom w0.25: R45.1 28.12,52.45 arc(28.07,52.42) 28.01,52.39 arc(26.36,51.71) 24.63,51.3 24.05,51.21 arc(21.92,50.52) 20.11,49.21 19.08,48.18 arc(18.43,47.21) 18.2,46.06 18.2,42.67 arc(18.11,41.92) 17.83,41.23 U4.6
CHROMA0: length 17.8
  Top w0.25: R50.1 v1(6.68,46.22)
  Bottom w0.25: U4.12 6.68,39.64 v1(6.68,46.22)
CHROMA1: length 15.4
  Top w0.25: R49.1 v1(9.3,46.22)
  Bottom w0.25: U4.11 v1(9.3,46.22)
CLK14: length 93.1
  Top w0.25: v1(40.45,57.9) 40.09,57.54 arc(39.88,57.22) 39.8,56.84 39.8,56.77 arc(39.65,55.85) 39.23,55.01 arc(38.69,54.42) 38.03,53.97 35.84,52.83 arc(33.58,51.48) 31.49,49.88 25.79,44.98 arc(25.17,44.24) 24.81,43.34 U4.83
  Bottom w0.25: U6.6 94.16,66.64 arc(92.17,68.13) 89.86,69 89.76,69.02 arc(87.59,69.38) 85.39,69.5 78.49,69.5 arc(77.63,69.61) 76.82,69.93 arc(76.51,70.12) 76.23,70.34 74.03,72.35 arc(72.91,73.07) 71.6,73.37 67.94,73.55 arc(67.92,73.55) 67.89,73.55 52.38,73.47 arc(48,73.34) 43.64,72.94 ; 43.62,72.94 arc(42.72,72.66) 41.95,72.12 40.1,70.33 arc(39.39,69.19) 39.27,67.86 39.27,67.86 arc(39.7,65.43) 39.85,62.98 39.85,61.7 arc(40,59.77) v1(40.45,57.9)
CLK_PAL: length 95.4
  Top w0.25: v1(38.5,57.9) 38.61,57.79 arc(39.05,57.14) 39.2,56.37 39.2,56.31 arc(39.12,55.93) 38.91,55.61 38.62,55.32 arc(38.31,55.05) 37.96,54.82 35.98,53.72 arc(33.57,52.24) 31.31,50.55 24.56,45.01 arc(23.99,44.39) 23.61,43.64 23.4,43.01 arc(23.29,42.54) 23.25,42.06 23.25,41.98 arc(23.16,41.38) 22.89,40.83 U4.2
  Bottom w0.25: v1(38.5,57.9) 38.5,57.9 arc(38.91,59.77) 39.05,61.68 39.05,64.73 arc(39.03,65.33) 38.96,65.93 38.66,67.93 arc(38.79,69.47) 39.62,70.78 41.54,72.65 arc(42.33,73.2) 43.26,73.47 43.26,73.47 arc(47.63,73.87) 52,74 68.15,74 71.76,73.86 arc(73.15,73.56) 74.35,72.8 76.54,70.79 arc(76.76,70.62) 77,70.47 arc(77.77,70.19) 78.59,70.1 84.53,70.1 arc(85.57,70.22) 86.55,70.59 87.34,70.99 arc(89.45,72.29) 91.34,73.9 U6.10
CLKCPU: length 88.8
  Top w0.25: v1(60,54.7) 61.32,53.84 arc(63.93,52.05) 66.45,50.15 69.57,47.72 arc(69.6,47.7) 69.63,47.68 71.49,46.14 arc(73.11,45.33) 74.91,45.29 U3.6 ; R4.1 40.12,51.07 arc(39.97,50.88) 39.8,50.7 v1(39,49.9) 37.22,48.01 arc(35.95,46.76) 34.58,45.61 32.3,43.87 arc(32.2,43.8) 32.11,43.72 31.67,43.32 arc(31.25,42.86) 30.94,42.32 30.74,41.87 arc(30.21,41.16) 29.37,40.87 28.83,40.85 27.7,40.85 arc(27.65,40.85) 27.6,40.84 27.17,40.8 arc(26.78,40.69) 26.44,40.45 arc(26.13,40) 26.03,39.46 arc(25.51,37.67) 24.12,36.43 U4.21
  Bottom w0.25: v1(39,49.9) 45.68,50.32 arc(45.78,50.32) 45.87,50.32 54.9,50.32 arc(56.31,50.6) 57.5,51.4 58.51,52.41 arc(59.38,53.48) v1(60,54.7)
Csync: length 17.5
  Top w0.25: v1(11.8,46.22) 12.03,46.97 arc(12.95,49.04) 14.35,50.83 D10.1
  Bottom w0.25: v1(11.8,46.22) 11.8,42.14 U4.9
D0: length 85
  Top w0.25: v1(117.05,23) v1(117.05,41.85)
  Bottom w0.25: R8.1 U3.14 87.79,22.18 arc(90.17,21.67) 92.6,21.5 arc(92.65,21.5) 92.7,21.5 U1.11 109.32,22.65 arc(113.15,22.91) 116.99,23 v1(117.05,23) ; U2.37 124.08,42.73 arc(122.68,42.07) 121.16,41.85 v1(117.05,41.85)
D1: length 86.3
  Top w0.25: v1(117.78,39.3) 117.77,39.3 v1(117.77,20.4)
  Bottom w0.25: R9.1 U3.15 90.91,16.81 arc(92.01,16.58) 93.12,16.79 U1.12 99.4,19.21 arc(108.57,20.1) v1(117.77,20.4) ; U2.36 124.31,40.3 arc(122.72,39.56) 120.99,39.3 v1(117.78,39.3)
D2: length 93.1
  Top w0.25: v1(97,24.9) 97,22.64 arc(97.51,19.47) U1.13 ; v1(118.5,17.9) v1(118.5,36.77)
  Bottom w0.25: v1(97,24.9) 93.38,28.44 arc(92.52,29.03) 91.51,29.28 U3.12 R10.1 ; v1(118.5,36.77) 121,36.77 arc(122.75,37.03) 124.34,37.78 U2.35 ; U1.13 99.41,16.67 arc(108.57,17.59) 117.77,17.9 v1(118.5,17.9)
D3: length 93.5
  Top w0.25: v1(110,14.1) 110.07,14.54 arc(110.09,14.77) 110.1,14.99 v1(110.1,33.1)
  Bottom w0.25: v1(110,14.1) 110.02,14.08 U1.15 ; R11.1 U3.8 80.08,41.29 arc(82.46,41.67) 84.87,41.8 91.46,41.8 arc(91.91,41.76) 92.35,41.66 arc(93.01,41.29) 93.48,40.71 96.11,35.8 arc(96.86,34.69) 97.81,33.75 arc(98.69,33.27) 99.68,33.1 v1(110.1,33.1) 111.97,33.1 arc(115.23,33.3) 118.43,33.89 118.43,33.89 arc(119.71,34.12) 121,34.2 121.01,34.2 arc(122.77,34.46) 124.39,35.22 U2.34
D4: length 94.4
  Top w0.25: v1(109.3,16.62) 109.3,28 arc(109.27,28.4) 109.19,28.79 v1(108.7,30.6) v1(108.7,35.7)
  Bottom w0.25: v1(108.7,30.6) 112.58,30.6 arc(114.98,30.74) 117.35,31.15 118.39,31.39 arc(119.71,31.62) 121.05,31.7 121.05,31.7 arc(122.82,31.96) 124.44,32.72 U2.33 ; R12.1 U3.7 79.52,43.8 arc(81.36,44.13) 83.23,44.25 91.57,44.3 arc(91.75,44.29) 91.94,44.28 92.04,44.26 arc(92.76,44.03) 93.34,43.55 93.41,43.47 arc(93.57,43.25) 93.72,43.03 97.02,37.2 arc(97.59,36.44) 98.34,35.84 arc(98.59,35.74) 98.85,35.7 v1(108.7,35.7) ; U1.16 v1(109.3,16.62)
D5: length 84.8
  Top w0.25: v1(108.53,28) v1(108.53,19.2)
  Bottom w0.25: R13.1 U3.9 80.81,37.3 arc(83.56,36.93) 86.33,36.8 91.58,36.8 arc(91.9,36.77) 92.21,36.7 92.23,36.69 arc(92.75,36.43) 93.17,36.02 93.31,35.85 arc(93.43,35.67) 93.54,35.48 94.66,33.13 arc(95.93,30.98) 97.55,29.08 97.97,28.67 arc(98.73,28.17) 99.61,28 v1(108.53,28) 111.7,28 arc(115.12,28.22) 118.49,28.86 118.51,28.87 arc(119.81,29.12) 121.13,29.2 121.13,29.2 arc(122.78,29.44) 124.29,30.15 U2.32 ; U1.17 108.57,19.16 v1(108.53,19.2)
D6: length 74.6
  Top w0.25: U1.18 115.18,23.12 arc(115.72,24.26) v1(115.9,25.5)
  Bottom w0.25: U2.31 124.22,27.57 arc(122.68,26.85) 120.98,26.6 arc(119.71,26.51) 118.47,26.24 v1(115.9,25.5) 99.44,25.5 arc(98.68,25.65) 98.03,26.08 97.89,26.22 arc(97.76,26.36) 97.64,26.5 97.16,27.12 arc(95.18,29.97) 93.51,33.01 93.51,33.01 arc(93.42,33.16) 93.33,33.31 arc(92.83,33.81) 92.22,34.14 arc(91.81,34.25) 91.39,34.28 89.12,34.28 arc(84.45,34.47) 79.8,35.02 U3.10 R14.1
D7: length 66.6
  Bottom w0.25: U2.30 124.16,25.02 arc(122.68,24.34) 121.07,24.1 119.79,24.1 arc(119.75,24.1) 119.71,24.1 U1.19 100.43,23.06 arc(100.3,23.05) 100.17,23.05 98.96,23.05 arc(98.09,23.18) 97.29,23.56 94.3,25.58 arc(92.72,26.38) 90.99,26.74 U3.13 R15.1
Green: length 22.7
  Bottom w0.25: R41.1 27.65,53.2 arc(27.43,53.05) 27.2,52.92 ; 27.2,52.92 27.2,52.92 27.2,52.92 ; 27.2,52.92 26.78,52.7 arc(25.76,52.28) 24.69,52.02 24.22,51.95 arc(21.61,51.1) 19.38,49.48 18.64,48.74 arc(17.66,47.34) 17.22,45.69 U4.5
KD0: length 42.5
  Top w0.25: J6.1 2.94,1.63 arc(3.84,1.11) 4.87,0.92 12.56,0.92 arc(13.15,1.01) 13.68,1.27 v1(13.88,1.4)
  Bottom w0.25: v1(13.88,1.4) 16.02,1.02 arc(16.28,0.99) 16.54,0.97 27.71,0.97 arc(28.3,1.06) 28.84,1.3 RN1.6 ; J6.1 2.71,3.05 arc(5.45,8.93) U4.34
KD1: length 34.3
  Bottom w0.25: U4.33 7.74,9.12 arc(6.16,6.04) 5.08,2.75 J6.2 arc(7.66,3.93) 10.9,4.58 18.79,4.58 arc(23.35,3.94) RN1.5
KD2: length 31.8
  Top w0.25: v1(7.13,5.31) J6.3
  Bottom w0.25: v1(7.13,5.31) 8.53,7.74 arc(10.26,10.92) 11.84,14.17 U4.36 ; J6.3 arc(9.7,3.6) 12.35,4.13 18.86,4.13 arc(22.1,3.61) RN1.4
KD3: length 24.2
  Top w0.25: v1(8.3,5.3) J6.4
  Bottom w0.25: U4.35 v1(8.3,5.3) ; J6.4 arc(11.74,3.27) 13.8,3.68 18.68,3.68 arc(20.74,3.27) RN1.3
KD4: length 21.6
  Top w0.25: v1(9.4,5.3) 12.54,2.16 J6.5
  Bottom w0.25: U4.37 11.85,5.83 arc(11.53,5.44) 11.04,5.3 v1(9.4,5.3) ; RN1.2 19.22,2.82 arc(18.77,3.12) 18.24,3.23 14.91,3.23 arc(13.76,3) 12.79,2.35 J6.5
nINT: length 84.4
  Top w0.25: U3.16 76.53,20.59 arc(75.39,23.02) 75,25.67 75,27.07 arc(74.26,28.89) 72.47,29.69 v1(58.7,30.15) ; U4.18 7.57,30.87 arc(7.89,30.26) 8,29.58 arc(8.08,29.2) 8.29,28.87 8.51,28.66 arc(8.83,28.44) 9.22,28.36 37.68,28.36 arc(38.32,28.44) 38.91,28.67 arc(38.99,28.71) 39.06,28.76 41.24,30.46 arc(43.13,31.6) 45.21,32.31 45.99,32.48 arc(46.31,32.53) 46.63,32.55 47.34,32.55 arc(49.73,31.76) 51.26,29.77 v1(52.4,26.7)
  Bottom w0.25: v1(52.4,26.7) v1(58.7,30.15)
nIORQ: length 78.2
  Top w0.25: U3.20 75.36,9.62 arc(74.44,9.38) 73.49,9.3 73.49,9.3 arc(72.47,9.48) 71.56,10 65.47,15.11 arc(65.44,15.14) 65.41,15.17 63.21,17.12 arc(62.87,17.33) 62.48,17.4 62.3,17.4 61.97,17.27 arc(61.88,17.22) 61.8,17.16 61.28,16.63 arc(61.22,16.58) 61.17,16.52 v1(58.8,13.9) ; v1(50.5,17.8) 48.28,17.55 47.91,17.5 47.73,17.5 47.72,17.5 arc(46.35,17.55) 44.99,17.69 v1(39.1,18.5)
  Bottom w0.25: U4.24 14.21,20.4 arc(18.54,18.76) 23.13,18.2 37.7,18.19 arc(38.21,18.23) 38.71,18.36 v1(39.1,18.5) ; v1(50.5,17.8) 50.59,17.8 51.43,18.63 arc(51.75,18.85) 52.13,18.93 52.5,18.93 arc(52.91,18.87) 53.28,18.71 53.81,18.38 arc(56.4,16.47) 58.61,14.14 v1(58.8,13.9)
nM1: length 98.1
  Top w0.25: v1(67.5,38.6) 66.43,38.6 arc(65.13,38.46) 63.88,38.06 arc(63.29,37.87) 62.66,37.8 arc(61.58,37.93) 60.56,38.31 v1(56,40.65) ; v1(43.2,30.65) 39.94,28.51 arc(38.95,28.06) 37.88,27.9 9.04,27.9 arc(7.89,27.67) 6.92,27.02 U4.22
  Bottom w0.25: v1(67.5,38.6) 71.6,28.86 arc(72.13,28.02) 72.91,27.4 72.91,27.4 arc(73.82,27.01) 74.8,26.82 U3.27 ; v1(43.2,30.65) 45.89,32.27 arc(46.63,32.59) 47.44,32.7 arc(48,32.81) 48.48,33.13 v1(56,40.65)
nMREQ: length 73.4
  Top w0.25: v1(58.72,16.34) 61.7,19.58 arc(62.04,19.82) 62.44,19.9 62.58,19.9 arc(62.97,19.82) 63.29,19.6 63.29,19.6 arc(64.46,18.56) 65.74,17.66 72.03,12.81 arc(72.91,12.32) 73.9,12.15 74.13,12.15 arc(74.45,12.17) 74.76,12.22 U3.19 ; v1(39.1,20) 45.67,20 arc(47.64,19.83) 49.56,19.33 v1(50.5,19)
  Bottom w0.25: v1(50.5,19) 50.78,19.14 arc(51.92,19.51) 53.12,19.51 arc(53.67,19.36) 54.19,19.11 v1(58.72,16.34) ; v1(39.1,20) 38.71,20.13 arc(38.25,20.24) 37.78,20.28 21.86,20.28 arc(18.98,20.56) 16.22,21.41 U4.25
nRD: length 130.8
  Top w0.25: v1(111.53,11.57) 111.53,24.88 arc(111.83,27.14) 112.71,29.25 U1.22 ; v1(67.1,7.8) 66.97,7.9 arc(66.09,8.38) 65.11,8.55 58.24,8.55 arc(57.95,8.54) 57.67,8.5 41.37,5.36 arc(41.18,5.32) 40.99,5.26 36.69,3.83 arc(36.22,3.71) 35.74,3.67 28.64,3.67 arc(27.5,3.9) 26.52,4.55 v1(25.92,5.15)
  Bottom w0.25: v1(111.53,11.57) 95.48,11.57 arc(93.95,11.31) 92.59,10.57 U3.21 79.72,7.37 arc(79.4,7.32) 79.07,7.3 75.67,7.3 arc(74.93,7.45) 74.3,7.87 74.03,8.14 arc(73.71,8.35) 73.34,8.42 72.6,8.42 arc(72.43,8.42) 72.25,8.4 v1(67.1,7.8) ; v1(25.92,5.15) 23.26,7.31 arc(23.01,7.48) 22.75,7.61 17.24,9.84 arc(16.83,10.06) 16.46,10.36 16.41,10.41 arc(16.02,11.01) 15.88,11.71 15.88,12.98 arc(15.66,14.09) 15.03,15.04 arc(14.32,15.57) 13.49,15.86 U4.31
